# Allegro board RK3588S_Template_LP5D315P232SD10H2_42x42_2750MHz_1R2_V10_20220413YWQ.brd (continued)
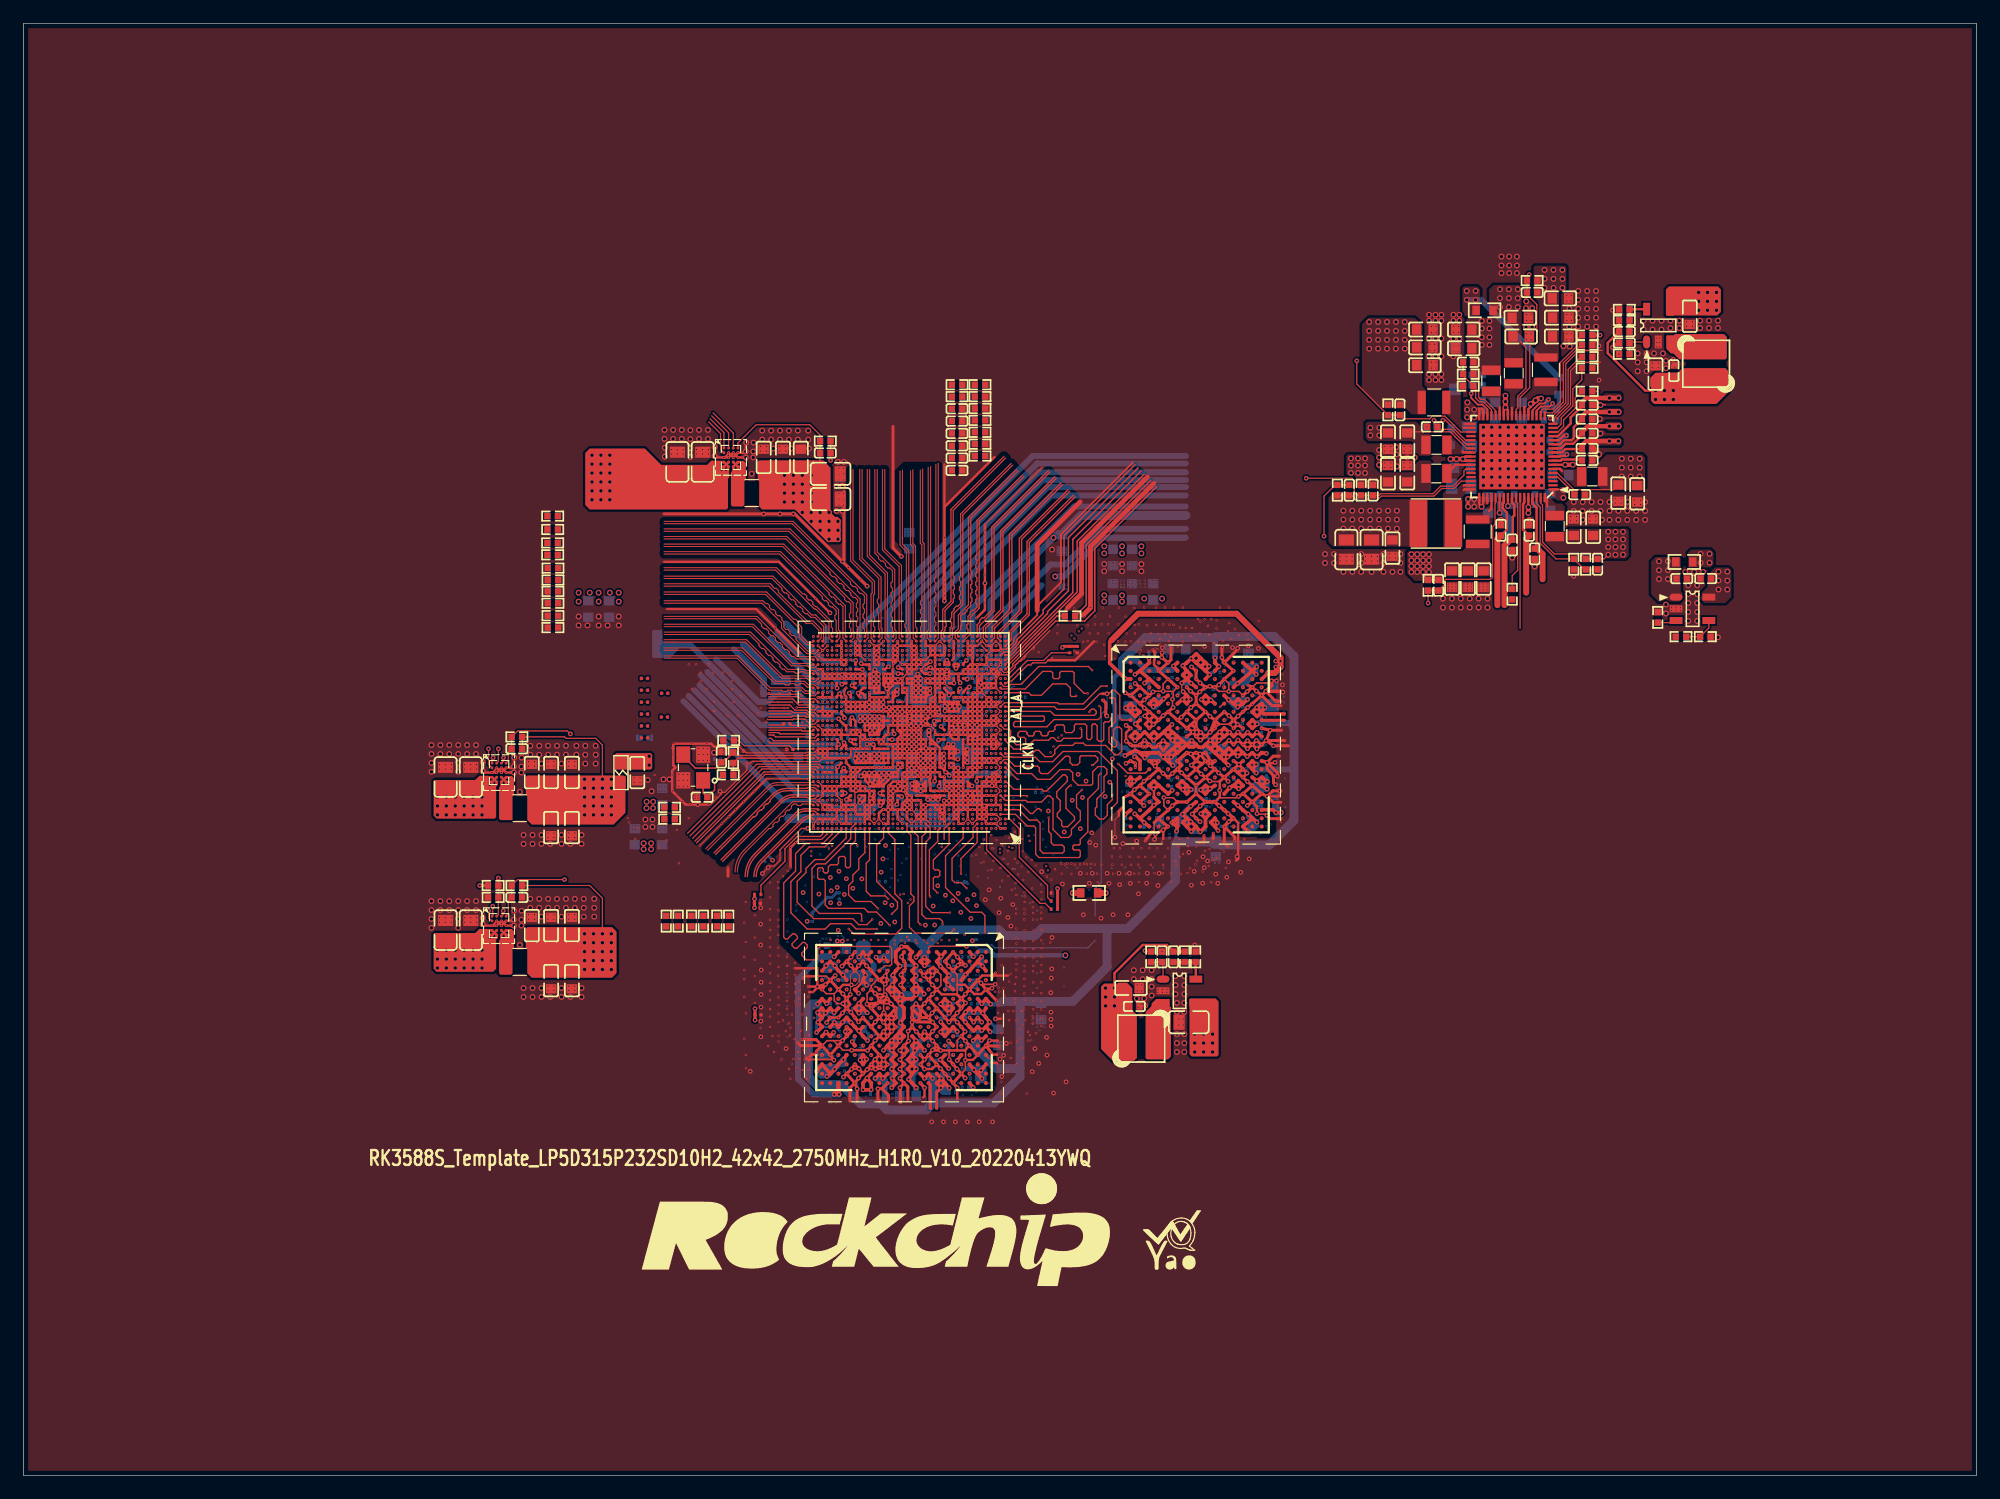
[diagram p0: board, top side]
## Placement (name value [footprint] x y rotation side) (continued)
C3969  100nF  [C0201#2]  71.49 33.41 180 bottom
C3970  100nF  [C0201#2]  78.76 34.3 0 bottom
C3971  100nF  [C0201#2]  79.36 32.75 0 bottom
C3972  100nF  [C0201#2]  80.49 34.75 180 bottom
C3973  100nF  [C0201#2]  68.56 42.8 270 bottom
C3974  100nF  [C0201#2]  77.72 35.5 180 bottom
C3975  100nF  [C0201#2]  72.47 42.38 0 bottom
C3976  100nF  [C0201#2]  71.48 36.22 90 bottom
C3977  100nF  [C0201#2]  69.67 42.39 180 bottom
C3978  100nF  [C0201#2]  81.25 43.58 180 bottom
C3979  100nF  [C0201#2]  79.5 43.29 90 bottom
C3980  22uF  [C0603]  75.57 32.43 180 bottom
C3981  10uF  [C0603]  75.66 39.52 0 bottom
C3982  10uF  [C0603]  83.31 37.45 270 bottom
C3983  1uF  [C0201#2]  75.64 43.87 90 bottom
C3984  100nF  [C0201]  69.7 49.53 270 bottom
C3985  100nF  [C0201]  62.76 39.37 0 top
C3986  100nF  [C0201]  62.71 48.89 0 top
C3987  100nF  [C0201#2]  76.74 41.95 90 bottom
C3990  100nF  [C0201#2]  75.59 40.6 0 bottom
C3991  100nF  [C0201#2]  81.21 37.91 180 bottom
C3992  100nF  [C0201#2]  68.04 38.39 0 bottom
C3993  100nF  [C0201#2]  71.92 38.63 90 bottom
C3994  100nF  [C0201#2]  79.78 37.31 270 bottom
C3996  100nF  [C0201#2]  77.03 37.17 0 bottom
C3999  100nF  [C0201#2]  74.52 34.35 0 bottom
C9922  1uF  [C0402]  115.32 84.2 270 top
C9923  100nF  [C0201]  101.05 56.9 90 bottom
D2600  BZT52C3V0  [SOD_123]  122.3 94.61 270 bottom
ED2200  AZ5825-01F  [ESD0402]  121.98 88.76 270 bottom
FB2300  120R-100MHz  [L0603]  51.05 60.07 90 top
L2200  0.47uH  [IND_201610]  120.73 85.62 0 top
L2201  0.22uH  [IND_404020]  120.68 81.35 180 top
L2202  0.47uH  [IND_201610]  125.41 93.55 270 top
L2203  0.24uH  [IND_252012]  120.52 91.69 180 top
L2204  0.47uH  [IND_201610]  130.84 81.13 90 top
L2205  0.24uH  [IND_252012]  124.26 80.64 270 top
L2206  0.47uH  [IND_201610]  134.04 85.37 180 top
L2207  0.24uH  [IND_252012]  130.08 94.49 90 top
L2208  0.47uH  [IND_201610]  127.33 94.18 270 top
L2209  0.47uH  [IND_201610]  120.73 88.06 180 top
L2300  0.24uH  [IND_252012]  42.42 43.89 0 top
L2301  0.24uH  [IND_252012]  42.42 57.02 0 top
L2302  0.24uH  [IND_252012]  62.23 83.95 0 top
L2303  2.2uH  [IND_303015]  143.76 95 0 top
L3900  3.3uH  [IND_303015]  95.5 37.34 270 top
NOREF  -  []  52.83 15.49 0 top
NOREF#2  -  []  96.9 18.92 0 top
R1100  22R  [R0402]  60.21 59.87 0 top
R1102  510K  [R0402]  60.66 61.33 90 top
R1104  0R  [R0402]  60.26 62.81 180 top
R1111  2.2K  [R0402]  45.24 72.46 0 top
R1112  2.2K  [R0402]  45.24 73.47 0 top
R1113  2.2K  [R0402]  45.24 74.53 0 top
R1114  2.2K  [R0402]  45.24 75.55 0 top
R1115  22R  [R0402]  133.6 95.6 180 top
R1116  22R  [R0402]  133.6 92.64 180 top
R1200  240R  [R0201#2]  89.39 70.58 90 top
R1201  240R  [R0201#2]  88.08 49.09 0 top
R1202  240R  [R0201#2]  88.08 48.39 0 top
R1203  240R  [R0201#2]  62.74 49.66 180 top
R1300  0R  [R0201]  53.07 64.05 180 top
R1301  0R  [R0201]  53.07 63.04 180 top
R1302  0R  [R0201]  53.07 65.07 180 top
R1303  0R  [R0201]  53.07 66.08 180 top
R1304  0R  [R0201]  53.07 67.1 180 top
R1305  0R  [R0201]  54.77 64.81 180 top
R1306  0R  [R0201]  53.07 68.12 180 top
R1308  0R  [R0201]  53.07 64.05 180 bottom
R1309  0R  [R0201]  65.23 64.23 180 top
R1310  0R  [R0402]  53.07 63.04 180 bottom
R1312  0R  [R0201]  53.07 65.07 180 bottom
R1313  0R  [R0201]  53.07 66.08 180 bottom
R1315  0R  [R0201]  53.07 67.1 180 bottom
R1316  0R  [R0201]  53.07 68.12 180 bottom
R1320  22R  [R0402]  89.42 73.45 0 top
R1330  0R  [R0201]  54.79 66.85 180 top
R1400  8.2K  [R0201]  79.43 72.11 90 bottom
R1401  0R  [R0402]  78.61 71.12 90 bottom
R1402  0R  [R0402]  77.6 71.12 90 bottom
R1404  200R  [R0201]  81.74 69.6 270 bottom
R1405  200R  [R0201]  81.74 72.06 90 bottom
R1406  200R  [R0201]  81.74 70.79 270 bottom
R1500  10K  [R0402]  81.73 89.14 0 top
R1501  100K  [R0402]  81.73 90.16 180 top
R1502  DNP  [R0402]  81.73 91.18 0 top
R1505  DNP  [R0402]  81.73 93.21 180 top
R1506  10K  [R0402]  81.73 87.11 180 top
R1507  100K  [R0402]  81.73 92.19 0 top
R1508  DNP  [R0402]  81.73 88.13 0 top
R1509  2.2K  [R0402]  55.21 57.1 0 top
R1510  2.2K  [R0402]  55.21 56.08 0 top
R1520  0R  [R0402]  79.77 92.19 0 top
R1521  0R  [R0402]  79.77 93.21 0 top
R1708  8.2K  [R0201]  83.39 71.3 90 bottom
R1904  2.2K  [R0402]  45.24 77.54 0 top
R1905  2.2K  [R0402]  45.24 76.52 0 top
R1908  0R  [R0402]  65.74 66.79 180 bottom
R1909  0R  [R0402]  65.74 67.88 180 bottom
R1910  2.2K  [R0402]  60.26 47.38 90 top
R1911  2.2K  [R0402]  54.92 47.38 90 top
R1914  2.2K  [R0402]  45.22 81.98 0 top
R1915  2.2K  [R0402]  45.22 80.84 0 top
R1916  2.2K  [R0402]  55.94 47.38 90 top
R1917  2.2K  [R0402]  59.24 47.38 90 top
R1918  0R  [R0402]  68.58 71.88 90 bottom
R1921  2.2K  [R0402]  57.08 47.38 90 top
R1922  2.2K  [R0402]  58.1 47.38 90 top
R1927  0R  [R0402]  63.69 67.88 0 bottom
R1928  0R  [R0402]  63.69 66.79 0 bottom
R1930  0R  [R0402]  45.22 79.69 180 top
R1931  0R  [R0402]  45.22 78.67 180 top
R2200  100R  [R0402]  114.3 84.2 270 top
R2208  100R  [R0402]  112.27 84.2 90 top
R2209  100R  [R0402]  128.91 102.11 180 top
R2210  0R  [R0603]  131.19 93.09 270 bottom
R2211  0R  [R0603]  124.84 99.57 0 top
R2218  110K  [R0402]  123.44 94.11 180 top
R2219  100R  [R0402]  116.59 91.06 90 top
R2227  100K  [R0402]  123.44 93.09 180 top
R2236  0R  [R0402]  133.48 77.87 270 top
R2238  100R  [R0402]  120.01 76.07 90 top
R2241  100K  [R0402]  132.46 77.87 270 top
R2242  0R  [R0402]  127.2 75.31 90 top
R2258  100K  [R0402]  133.6 96.59 0 top
R2261  10K  [R0402]  133.6 97.44 180 top
R2263  10K  [R0402]  120.27 89.66 0 bottom
R2264  39K  [R0402]  124.68 93.6 270 bottom
R2265  10K  [R0402]  123.75 93.6 270 bottom
R2274  0R  [R0402]  83.69 60.01 180 bottom
R2290  0R  [R0402]  133.6 94.61 180 top
R2300  100R  [R0402]  42.16 50.42 180 top
R2301  100R  [R0402]  42.16 63.12 180 top
R2302  100K  [R0402]  40.13 50.42 0 top
R2303  120K  [R0402]  40.13 49.4 180 top
R2304  100R  [R0402]  68.51 88.39 180 top
R2305  10K  [R0402]  136.78 95.82 0 top
R2306  100K  [R0402]  136.78 98.71 0 top
R2307  120K  [R0402]  136.78 99.65 180 top
R2308  0R  [R0603]  141.91 78.06 180 top
R2309  10K  [R0402]  141.62 71.68 0 top
R2310  100K  [R0402]  143.7 71.68 0 top
R2311  4.7K  [R0402]  139.63 73.33 90 top
R3900  240R  [R0201#2]  107.7 64.81 90 top
R3901  240R  [R0201#2]  77.76 31.42 0 top
R3920  0R  [R0603]  91.06 49.78 180 top
R3950  56K  [R0402]  96.32 44.32 270 top
R3951  100K  [R0402]  99.22 44.32 270 top
R3952  200K  [R0402]  100.15 44.32 90 top
U1000  RK3588S  [BGA1253_17R00X17R00X1R10]  75.69 63.5 180 top
U2200  RK806-1  [QFN68_7R00X7R00X0R80_T]  127.18 87.07 180 top
U2300  RK860-2  [WLCSP20_1R65X2R05X0R63]  40.64 46.99 0 top
U2301  RK860-3  [WLCSP20_1R65X2R05X0R63]  40.64 60.07 0 top
U2302  RK860-2  [WLCSP20_1R65X2R05X0R63]  60.45 87 0 top
U2303  ETA3409/SY8089AAC  [SOT_23_5]  138.68 96.86 90 top
U2304  SGM2576  [SOT_23_5]  141.2 75.06 0 top
U3900  LPDDR5_2X32_315Pin  [BGA315_12R40X15R00X1R10]  100.2 62.46 0 top
U3901  LPDDR5_2X32_315Pin  [BGA315_12R40X15R00X1R10]  75.24 39.14 270 top
U3902  SY8089AAC  [SOT_23_5]  97.37 42.42 0 top
Y1100  24MHz  [CRY4_3R20X2R50X0R80]  57.23 60.5 90 top

## Library data of the parts
C1000-C1002 C1005 C1009 C1011 C1014 C1015 C1021-C1024 C1026 C1028 C1031 C1032 C1034 C1037 C1039 C1040 C1043 C1050 C1100 C1101 C1103-C1107 C1202-C1204 C1206-C1208 C1211-C1213 C1216 C1218 C1220 C1222 C1224 C1250-C1253 C1300-C1302 C1400 C1401 C1403 C1405-C1407 C1502 C1601 C1602 C1607 C1608 C1610 C1710 C1712 C1713 C1800 C1802 C1902-C1907 C2245 C2248 C2249 = CAP NP: signal model: DEFAULT_CAPACITOR_100000pF_2_1
C1003 C1007 C1029 C1033 C1041 C2214 C2215 = CAP NP: signal model: DEFAULT_CAPACITOR_10000pF_2_1
C1004 C1010 C1013 C1035 C1036 C1042 C1209 C1210 C1214 C1215 C1221 C1402 C1404 C1600 C1603 C1605 C1609 C1711 C1714 C1725 C1801 C1803 C2235-C2244 C2246 C2247 C2250-C2253 = CAP NP: signal model: DEFAULT_CAPACITOR_1e+06pF_2_1
C1006 C1008 C1012 C1027 C1038 C2200 C2201 C2209 C2210 C2213 C2216-C2218 C2225 C2228 C2229 C2231 = CAP NP: signal model: DEFAULT_CAPACITOR_2.2e+07pF_2_1
C1017 C1019 C1020 C1025 C1030 C1200 C1205 C1217 C1219 C1223 C2202 C2203 C2221 C2226 C2227 C2232 = CAP NP: signal model: DEFAULT_CAPACITOR_1e+07pF_2_1
C1051-C1061 C1063 C1070-C1085 C1087 C1090 C1110-C1114 C1125 C1254 C1256 C1259-C1261 C1263-C1268 C1270 C1272-C1274 C1280-C1286 C1290-C1294 C1298 C1299 C1500 C1501 C1503-C1508 C1611-C1613 C1716 C1718 C2205 C2230 C2254 C2255 C2257-C2265 C2280-C2283 C2290 C2291 C2300-C2331 C3900-C3932 C3934-C3938 C3940 C3943-C3946 C3949-C3987 C3990-C3994 C3996 C3999 C9922 C9923 = CAP NP
C1604 = CAP NP: signal model: DEFAULT_CAPACITOR_2200pF_2_1
D2600 = DIODE ZENER1_1
ED2200 = DIODE BI_DIR TRIG
FB2300 = BEAD
L2200 L2205-L2209 = INDUCTORS OF FERRITE: signal model: DEFAULT_INDUCTOR_470.000000nH_2_1
L2201 L2202 = INDUCTORS OF FERRITE: signal model: DEFAULT_INDUCTOR_220.000000nH_2_1
L2203 L2204 = INDUCTORS OF FERRITE: signal model: DEFAULT_INDUCTOR_240.000000nH_2_1
L2300-L2303 L3900 = INDUCTORS OF FERRITE
R1100 R1102 R1112-R1116 R1320 R1401 R1402 R1404 R1500 R1502 R1505-R1510 R1520 R1521 R1708 R1908-R1911 R1914-R1918 R1921 R1922 R1927 R1928 R1930 R1931 R2209 R2227 R2236 R2238 R2241 R2242 R2258 R2261 R2263-R2265 R2274 R2290 R2300-R2311 R3900 R3901 R3920 R3950-R3952 = RESISTOR
R1104 R1111 R1300-R1306 R1308-R1310 R1312 R1313 R1315 R1316 R1330 R1405 R1406 R1501 R1904 R1905 = RESISTOR: signal model: DEFAULT_RESISTOR_0.1OHM_2_1
R1200-R1203 = RESISTOR: signal model: DEFAULT_RESISTOR_240.000000OHM_2_1
R1400 = RESISTOR: signal model: DEFAULT_RESISTOR_8200OHM_2_1
R2200 R2208 R2210 R2211 R2218 R2219 = RESISTOR: signal model: DEFAULT_RESISTOR_10000OHM_2_1
U1000 = SOC_RK3588S
U2200 = PMIC_RK806
U2300-U2302 = DCDC_RK860
U2303 U3902 = DCDC_SY8088
U2304 = SWITCH_SGM2576
U3900 U3901 = LPDDR5_2X32_315Pin
Y1100 = CRYSTAL_4P

## Footprints (pads in the part's own frame, mm; a bottom-side part is the same pattern mirrored in y, then rotated)
BGA315_12R40X15R00X1R10
  round 0.35 smd: A1(-5.6,7) A2(-4.8,7) A3(-4,7) A4(-3.2,7) A5(-2.4,7) A6(-1.6,7) A7(-0.8,7) A8(0,7) A9(0.8,7) A10(1.6,7) A11(2.4,7) A12(3.2,7) A13(4,7) A14(4.8,7) A15(5.6,7) AA1(-5.6,-6.3) AA2(-4.8,-6.3) AA3(-4,-6.3) AA4(-3.2,-6.3) AA5(-2.4,-6.3) AA6(-1.6,-6.3) AA7(-0.8,-6.3) AA8(0,-6.3) AA9(0.8,-6.3) AA10(1.6,-6.3) AA11(2.4,-6.3) AA12(3.2,-6.3) AA13(4,-6.3) AA14(4.8,-6.3) AA15(5.6,-6.3) AB1(-5.6,-7) AB2(-4.8,-7) AB3(-4,-7) AB4(-3.2,-7) AB5(-2.4,-7) AB6(-1.6,-7) AB7(-0.8,-7) AB8(0,-7) AB9(0.8,-7) AB10(1.6,-7) AB11(2.4,-7) AB12(3.2,-7) AB13(4,-7) AB14(4.8,-7) AB15(5.6,-7) B1(-5.6,6.3) B2(-4.8,6.3) B3(-4,6.3) B4(-3.2,6.3) B5(-2.4,6.3) B6(-1.6,6.3) B7(-0.8,6.3) B8(0,6.3) B9(0.8,6.3) B10(1.6,6.3) B11(2.4,6.3) B12(3.2,6.3) B13(4,6.3) B14(4.8,6.3) B15(5.6,6.3) C1(-5.6,5.6) C2(-4.8,5.6) C3(-4,5.6) C4(-3.2,5.6) C5(-2.4,5.6) C6(-1.6,5.6) C7(-0.8,5.6) C8(0,5.6) C9(0.8,5.6) C10(1.6,5.6) C11(2.4,5.6) C12(3.2,5.6) C13(4,5.6) C14(4.8,5.6) C15(5.6,5.6) D1(-5.6,4.9) D2(-4.8,4.9) D3(-4,4.9) D4(-3.2,4.9) D5(-2.4,4.9) D6(-1.6,4.9) D7(-0.8,4.9) D8(0,4.9) D9(0.8,4.9) D10(1.6,4.9) D11(2.4,4.9) D12(3.2,4.9) D13(4,4.9) D14(4.8,4.9) D15(5.6,4.9) E1(-5.6,4.2) E2(-4.8,4.2) E3(-4,4.2) E4(-3.2,4.2) E5(-2.4,4.2) E6(-1.6,4.2) E7(-0.8,4.2) E8(0,4.2) E9(0.8,4.2) E10(1.6,4.2) E11(2.4,4.2) E12(3.2,4.2) E13(4,4.2) E14(4.8,4.2) E15(5.6,4.2) F1(-5.6,3.5) F2(-4.8,3.5) F3(-4,3.5) F4(-3.2,3.5) F5(-2.4,3.5) F6(-1.6,3.5) F7(-0.8,3.5) F8(0,3.5) F9(0.8,3.5) F10(1.6,3.5) F11(2.4,3.5) F12(3.2,3.5) F13(4,3.5) F14(4.8,3.5) F15(5.6,3.5) G1(-5.6,2.8) G2(-4.8,2.8) G3(-4,2.8) G4(-3.2,2.8) G5(-2.4,2.8) G6(-1.6,2.8) G7(-0.8,2.8) G8(0,2.8) G9(0.8,2.8) G10(1.6,2.8) G11(2.4,2.8) G12(3.2,2.8) G13(4,2.8) G14(4.8,2.8) G15(5.6,2.8) H1(-5.6,2.1) H2(-4.8,2.1) H3(-4,2.1) H4(-3.2,2.1) H5(-2.4,2.1) H6(-1.6,2.1) H7(-0.8,2.1) H8(0,2.1) H9(0.8,2.1) H10(1.6,2.1) H11(2.4,2.1) H12(3.2,2.1) H13(4,2.1) H14(4.8,2.1) H15(5.6,2.1) J1(-5.6,1.4) J2(-4.8,1.4) J3(-4,1.4) J4(-3.2,1.4) J5(-2.4,1.4) J6(-1.6,1.4) J7(-0.8,1.4) J8(0,1.4) J9(0.8,1.4) J10(1.6,1.4) J11(2.4,1.4) J12(3.2,1.4) J13(4,1.4) J14(4.8,1.4) J15(5.6,1.4) K1(-5.6,0.7) K2(-4.8,0.7) K3(-4,0.7) K4(-3.2,0.7) K5(-2.4,0.7) K6(-1.6,0.7) K7(-0.8,0.7) K8(0,0.7) K9(0.8,0.7) K10(1.6,0.7) K11(2.4,0.7) K12(3.2,0.7) K13(4,0.7) K14(4.8,0.7) K15(5.6,0.7) L1(-5.6,0) L2(-4.8,0) L3(-4,0) L4(-3.2,0) L5(-2.4,0) L6(-1.6,0) L7(-0.8,0) L8(0,0) L9(0.8,0) L10(1.6,0) L11(2.4,0) L12(3.2,0) L13(4,0) L14(4.8,0) L15(5.6,0) M1(-5.6,-0.7) M2(-4.8,-0.7) M3(-4,-0.7) M4(-3.2,-0.7) M5(-2.4,-0.7) M6(-1.6,-0.7) M7(-0.8,-0.7) M8(0,-0.7) M9(0.8,-0.7) M10(1.6,-0.7) M11(2.4,-0.7) M12(3.2,-0.7) M13(4,-0.7) M14(4.8,-0.7) M15(5.6,-0.7) N1(-5.6,-1.4) N2(-4.8,-1.4) N3(-4,-1.4) N4(-3.2,-1.4) N5(-2.4,-1.4) N6(-1.6,-1.4) N7(-0.8,-1.4) N8(0,-1.4) N9(0.8,-1.4) N10(1.6,-1.4) N11(2.4,-1.4) N12(3.2,-1.4) N13(4,-1.4) N14(4.8,-1.4) N15(5.6,-1.4) P1(-5.6,-2.1) P2(-4.8,-2.1) P3(-4,-2.1) P4(-3.2,-2.1) P5(-2.4,-2.1) P6(-1.6,-2.1) P7(-0.8,-2.1) P8(0,-2.1) P9(0.8,-2.1) P10(1.6,-2.1) P11(2.4,-2.1) P12(3.2,-2.1) P13(4,-2.1) P14(4.8,-2.1) P15(5.6,-2.1) R1(-5.6,-2.8) R2(-4.8,-2.8) R3(-4,-2.8) R4(-3.2,-2.8) R5(-2.4,-2.8) R6(-1.6,-2.8) R7(-0.8,-2.8) R8(0,-2.8) R9(0.8,-2.8) R10(1.6,-2.8) R11(2.4,-2.8) R12(3.2,-2.8) R13(4,-2.8) R14(4.8,-2.8) R15(5.6,-2.8) T1(-5.6,-3.5) T2(-4.8,-3.5) T3(-4,-3.5) T4(-3.2,-3.5) T5(-2.4,-3.5) T6(-1.6,-3.5) T7(-0.8,-3.5) T8(0,-3.5) T9(0.8,-3.5) T10(1.6,-3.5) T11(2.4,-3.5) T12(3.2,-3.5) T13(4,-3.5) T14(4.8,-3.5) T15(5.6,-3.5) V1(-5.6,-4.2) V2(-4.8,-4.2) V3(-4,-4.2) V4(-3.2,-4.2) V5(-2.4,-4.2) V6(-1.6,-4.2) V7(-0.8,-4.2) V8(0,-4.2) V9(0.8,-4.2) V10(1.6,-4.2) V11(2.4,-4.2) V12(3.2,-4.2) V13(4,-4.2) V14(4.8,-4.2) V15(5.6,-4.2) W1(-5.6,-4.9) W2(-4.8,-4.9) W3(-4,-4.9) W4(-3.2,-4.9) W5(-2.4,-4.9) W6(-1.6,-4.9) W7(-0.8,-4.9) W8(0,-4.9) W9(0.8,-4.9) W10(1.6,-4.9) W11(2.4,-4.9) W12(3.2,-4.9) W13(4,-4.9) W14(4.8,-4.9) W15(5.6,-4.9) Y1(-5.6,-5.6) Y2(-4.8,-5.6) Y3(-4,-5.6) Y4(-3.2,-5.6) Y5(-2.4,-5.6) Y6(-1.6,-5.6) Y7(-0.8,-5.6) Y8(0,-5.6) Y9(0.8,-5.6) Y10(1.6,-5.6) Y11(2.4,-5.6) Y12(3.2,-5.6) Y13(4,-5.6) Y14(4.8,-5.6) Y15(5.6,-5.6)
BGA1253_17R00X17R00X1R10
  round 0.25 smd: A1(-8.2,8.2) A2(-7.8,8.2) A3(-7.4,8.2) A4(-7,8.2) A5(-6.6,8.2) A6(-6.2,8.2) A7(-5.8,8.2) A9(-5,8.2) A10(-4.6,8.2) A12(-3.8,8.2) A13(-3.4,8.2) A15(-2.6,8.2) A16(-2.2,8.2) A18(-1.4,8.2) A19(-1,8.2) A20(-0.6,8.2) A21(-0.2,8.2) A23(0.6,8.2) A24(1,8.2) A26(1.8,8.2) A27(2.2,8.2) A28(2.6,8.2) A30(3.4,8.2) A31(3.8,8.2) A32(4.2,8.2) A33(4.6,8.2) A35(5.4,8.2) A36(5.8,8.2) A37(6.2,8.2) A38(6.6,8.2) A39(7,8.2) A40(7.4,8.2) A41(7.8,8.2) A42(8.2,8.2) AA1(-8.2,0.2) AA2(-7.8,0.2) AA3(-7.4,0.2) AA5(-6.6,0.2) AA6(-6.2,0.2) AA7(-5.8,0.2) AA8(-5.4,0.2) AA9(-5,0.2) AA10(-4.6,0.2) AA11(-4.2,0.2) AA12(-3.8,0.2) AA14(-3,0.2) AA19(-1,0.2) AA22(0.2,0.2) AA23(0.6,0.2) AA26(1.8,0.2) AA28(2.6,0.2) AA29(3,0.2) AA30(3.4,0.2) AA31(3.8,0.2) AA37(6.2,0.2) AA38(6.6,0.2) AA39(7,0.2) AA40(7.4,0.2) AA41(7.8,0.2) AA42(8.2,0.2) AB2(-7.8,-0.2) AB3(-7.4,-0.2) AB4(-7,-0.2) AB5(-6.6,-0.2) AB6(-6.2,-0.2) AB9(-5,-0.2) AB10(-4.6,-0.2) AB11(-4.2,-0.2) AB12(-3.8,-0.2) AB14(-3,-0.2) AB19(-1,-0.2) AB20(-0.6,-0.2) AB21(-0.2,-0.2) AB22(0.2,-0.2) AB23(0.6,-0.2) AB24(1,-0.2) AB25(1.4,-0.2) AB31(3.8,-0.2) AB32(4.2,-0.2) AB33(4.6,-0.2) AB34(5,-0.2) AB35(5.4,-0.2) AB36(5.8,-0.2) AB37(6.2,-0.2) AB38(6.6,-0.2) AB39(7,-0.2) AB40(7.4,-0.2) AB41(7.8,-0.2) AB42(8.2,-0.2) AC1(-8.2,-0.6) AC2(-7.8,-0.6) AC3(-7.4,-0.6) AC4(-7,-0.6) AC5(-6.6,-0.6) AC6(-6.2,-0.6) AC16(-2.2,-0.6) AC17(-1.8,-0.6) AC18(-1.4,-0.6) AC22(0.2,-0.6) AC23(0.6,-0.6) AC24(1,-0.6) AC25(1.4,-0.6) AC26(1.8,-0.6) AC27(2.2,-0.6) AC28(2.6,-0.6) AC29(3,-0.6) AC30(3.4,-0.6) AC31(3.8,-0.6) AC33(4.6,-0.6) AC34(5,-0.6) AC35(5.4,-0.6) AC37(6.2,-0.6) AC38(6.6,-0.6) AC39(7,-0.6) AC40(7.4,-0.6) AC41(7.8,-0.6) AD1(-8.2,-1) AD2(-7.8,-1) AD3(-7.4,-1) AD5(-6.6,-1) AD6(-6.2,-1) AD8(-5.4,-1) AD9(-5,-1) AD10(-4.6,-1) AD11(-4.2,-1) AD12(-3.8,-1) AD13(-3.4,-1) AD14(-3,-1) AD15(-2.6,-1) AD19(-1,-1) AD20(-0.6,-1) AD22(0.2,-1) AD23(0.6,-1) AD24(1,-1) AD25(1.4,-1) AD26(1.8,-1) AD27(2.2,-1) AD38(6.6,-1) AD39(7,-1) AD40(7.4,-1) AD41(7.8,-1) AD42(8.2,-1) AE1(-8.2,-1.4) AE2(-7.8,-1.4) AE5(-6.6,-1.4) AE6(-6.2,-1.4) AE7(-5.8,-1.4) AE8(-5.4,-1.4) AE9(-5,-1.4) AE10(-4.6,-1.4) AE11(-4.2,-1.4) AE12(-3.8,-1.4) AE13(-3.4,-1.4) AE14(-3,-1.4) AE15(-2.6,-1.4) AE16(-2.2,-1.4) AE19(-1,-1.4) AE20(-0.6,-1.4) AE22(0.2,-1.4) AE23(0.6,-1.4) AE24(1,-1.4) AE25(1.4,-1.4) AE26(1.8,-1.4) AE27(2.2,-1.4) AE38(6.6,-1.4) AE39(7,-1.4) AE40(7.4,-1.4) AE41(7.8,-1.4) AE42(8.2,-1.4) AF1(-8.2,-1.8) AF2(-7.8,-1.8) AF3(-7.4,-1.8) AF4(-7,-1.8) AF5(-6.6,-1.8) AF6(-6.2,-1.8) AF7(-5.8,-1.8) AF8(-5.4,-1.8) AF9(-5,-1.8) AF10(-4.6,-1.8) AF12(-3.8,-1.8) AF13(-3.4,-1.8) AF16(-2.2,-1.8) AF17(-1.8,-1.8) AF19(-1,-1.8) AF20(-0.6,-1.8) AF21(-0.2,-1.8) AF26(1.8,-1.8) AF27(2.2,-1.8) AF28(2.6,-1.8) AF29(3,-1.8) AF30(3.4,-1.8) AF31(3.8,-1.8) AF32(4.2,-1.8) AF33(4.6,-1.8) AF34(5,-1.8) AF35(5.4,-1.8) AF36(5.8,-1.8) AF37(6.2,-1.8) AF38(6.6,-1.8) AF39(7,-1.8) AF40(7.4,-1.8) AF41(7.8,-1.8) AG1(-8.2,-2.2) AG2(-7.8,-2.2) AG3(-7.4,-2.2) AG4(-7,-2.2) AG5(-6.6,-2.2) AG6(-6.2,-2.2) AG7(-5.8,-2.2) AG8(-5.4,-2.2) AG15(-2.6,-2.2) AG16(-2.2,-2.2) AG17(-1.8,-2.2) AG18(-1.4,-2.2) AG19(-1,-2.2) AG20(-0.6,-2.2) AG21(-0.2,-2.2) AG22(0.2,-2.2) AG23(0.6,-2.2) AG24(1,-2.2) AG25(1.4,-2.2) AG28(2.6,-2.2) AG29(3,-2.2) AG31(3.8,-2.2) AG32(4.2,-2.2) AG33(4.6,-2.2) AG34(5,-2.2) AG35(5.4,-2.2) AG36(5.8,-2.2) AG37(6.2,-2.2) AG38(6.6,-2.2) AG39(7,-2.2) AG40(7.4,-2.2) AG41(7.8,-2.2) AG42(8.2,-2.2) AH2(-7.8,-2.6) AH3(-7.4,-2.6) AH4(-7,-2.6) AH5(-6.6,-2.6) AH7(-5.8,-2.6) AH8(-5.4,-2.6) AH9(-5,-2.6) AH10(-4.6,-2.6) AH11(-4.2,-2.6) AH12(-3.8,-2.6) AH13(-3.4,-2.6) AH14(-3,-2.6) AH15(-2.6,-2.6) AH16(-2.2,-2.6) AH17(-1.8,-2.6) AH18(-1.4,-2.6) AH19(-1,-2.6) AH20(-0.6,-2.6) AH21(-0.2,-2.6) AH23(0.6,-2.6) AH24(1,-2.6) AH25(1.4,-2.6) AH26(1.8,-2.6) AH28(2.6,-2.6) AH29(3,-2.6) AH36(5.8,-2.6) AH37(6.2,-2.6) AH38(6.6,-2.6) AH39(7,-2.6) AH40(7.4,-2.6) AH41(7.8,-2.6) AH42(8.2,-2.6) AJ1(-8.2,-3) AJ2(-7.8,-3) AJ3(-7.4,-3) AJ5(-6.6,-3) AJ6(-6.2,-3) AJ7(-5.8,-3) AJ8(-5.4,-3) AJ9(-5,-3) AJ10(-4.6,-3) AJ11(-4.2,-3) AJ12(-3.8,-3) AJ15(-2.6,-3) AJ16(-2.2,-3) AJ18(-1.4,-3) AJ19(-1,-3) AJ20(-0.6,-3) AJ21(-0.2,-3) AJ25(1.4,-3) AJ26(1.8,-3) AJ27(2.2,-3) AJ28(2.6,-3) AJ29(3,-3) AJ30(3.4,-3) AJ31(3.8,-3) AJ32(4.2,-3) AJ34(5,-3) AJ35(5.4,-3) AJ36(5.8,-3) AJ37(6.2,-3) AJ38(6.6,-3) AJ39(7,-3) AJ40(7.4,-3) AJ41(7.8,-3) AK1(-8.2,-3.4) AK2(-7.8,-3.4) AK3(-7.4,-3.4) AK4(-7,-3.4) AK5(-6.6,-3.4) AK6(-6.2,-3.4) AK7(-5.8,-3.4) AK9(-5,-3.4) AK10(-4.6,-3.4) AK11(-4.2,-3.4) AK12(-3.8,-3.4) AK15(-2.6,-3.4) AK16(-2.2,-3.4) AK18(-1.4,-3.4) AK21(-0.2,-3.4) AK22(0.2,-3.4) AK25(1.4,-3.4) AK26(1.8,-3.4) AK27(2.2,-3.4) AK28(2.6,-3.4) AK29(3,-3.4) AK30(3.4,-3.4) AK39(7,-3.4) AK40(7.4,-3.4) AK41(7.8,-3.4) AK42(8.2,-3.4) AL2(-7.8,-3.8) AL3(-7.4,-3.8) AL4(-7,-3.8) AL5(-6.6,-3.8) AL14(-3,-3.8) AL15(-2.6,-3.8) AL16(-2.2,-3.8) AL18(-1.4,-3.8) AL21(-0.2,-3.8) AL22(0.2,-3.8) AL28(2.6,-3.8) AL29(3,-3.8) AL30(3.4,-3.8) AL31(3.8,-3.8) AL33(4.6,-3.8) AL35(5.4,-3.8) AL38(6.6,-3.8) AL39(7,-3.8) AL40(7.4,-3.8) AL41(7.8,-3.8) AL42(8.2,-3.8) AM1(-8.2,-4.2) AM2(-7.8,-4.2) AM4(-7,-4.2) AM5(-6.6,-4.2) AM13(-3.4,-4.2) AM14(-3,-4.2) AM15(-2.6,-4.2) AM16(-2.2,-4.2) AM17(-1.8,-4.2) AM21(-0.2,-4.2) AM22(0.2,-4.2) AM23(0.6,-4.2) AM25(1.4,-4.2) AM27(2.2,-4.2) AM30(3.4,-4.2) AM31(3.8,-4.2) AM32(4.2,-4.2) AM33(4.6,-4.2) AM35(5.4,-4.2) AM37(6.2,-4.2) AM38(6.6,-4.2) AM39(7,-4.2) AM40(7.4,-4.2) AM41(7.8,-4.2) AN1(-8.2,-4.6) AN2(-7.8,-4.6) AN3(-7.4,-4.6) AN4(-7,-4.6) AN5(-6.6,-4.6) AN6(-6.2,-4.6) AN7(-5.8,-4.6) AN8(-5.4,-4.6) AN10(-4.6,-4.6) AN11(-4.2,-4.6) AN12(-3.8,-4.6) AN13(-3.4,-4.6) AN14(-3,-4.6) AN15(-2.6,-4.6) AN17(-1.8,-4.6) AN18(-1.4,-4.6) AN21(-0.2,-4.6) AN22(0.2,-4.6) AN23(0.6,-4.6) AN25(1.4,-4.6) AN30(3.4,-4.6) AN31(3.8,-4.6) AN32(4.2,-4.6) AN33(4.6,-4.6) AN34(5,-4.6) AN35(5.4,-4.6) AN37(6.2,-4.6) AN38(6.6,-4.6) AN39(7,-4.6) AN40(7.4,-4.6) AN41(7.8,-4.6) AN42(8.2,-4.6) AP2(-7.8,-5) AP5(-6.6,-5) AP6(-6.2,-5) AP7(-5.8,-5) AP8(-5.4,-5) AP9(-5,-5) AP10(-4.6,-5) AP11(-4.2,-5) AP16(-2.2,-5) AP18(-1.4,-5) AP22(0.2,-5) AP23(0.6,-5) AP25(1.4,-5) AP27(2.2,-5) AP30(3.4,-5) AP31(3.8,-5) AP32(4.2,-5) AP33(4.6,-5) AP34(5,-5) AP35(5.4,-5) AP37(6.2,-5) AP38(6.6,-5) AP39(7,-5) AP40(7.4,-5) AP41(7.8,-5) AP42(8.2,-5) AR1(-8.2,-5.4) AR2(-7.8,-5.4) AR3(-7.4,-5.4) AR4(-7,-5.4) AR5(-6.6,-5.4) AR6(-6.2,-5.4) AR9(-5,-5.4) AR16(-2.2,-5.4) AR18(-1.4,-5.4) AR19(-1,-5.4) AR20(-0.6,-5.4) AR21(-0.2,-5.4) AR22(0.2,-5.4) AR23(0.6,-5.4) AR25(1.4,-5.4) AR27(2.2,-5.4) AR30(3.4,-5.4) AR33(4.6,-5.4) AR34(5,-5.4) AR35(5.4,-5.4) AR36(5.8,-5.4) AR37(6.2,-5.4) AR38(6.6,-5.4) AR39(7,-5.4) AR40(7.4,-5.4) AR41(7.8,-5.4) AT1(-8.2,-5.8) AT2(-7.8,-5.8) AT3(-7.4,-5.8) AT4(-7,-5.8) AT5(-6.6,-5.8) AT6(-6.2,-5.8) AT7(-5.8,-5.8) AT8(-5.4,-5.8) AT10(-4.6,-5.8) AT11(-4.2,-5.8) AT12(-3.8,-5.8) AT13(-3.4,-5.8) AT14(-3,-5.8) AT15(-2.6,-5.8) AT16(-2.2,-5.8) AT18(-1.4,-5.8) AT19(-1,-5.8) AT20(-0.6,-5.8) AT21(-0.2,-5.8) AT22(0.2,-5.8) AT23(0.6,-5.8) AT27(2.2,-5.8) AT29(3,-5.8) AT30(3.4,-5.8) AT33(4.6,-5.8) AT36(5.8,-5.8) AT37(6.2,-5.8) AT38(6.6,-5.8) AT39(7,-5.8) AT40(7.4,-5.8) AT41(7.8,-5.8) AT42(8.2,-5.8) AU1(-8.2,-6.2) AU2(-7.8,-6.2) AU3(-7.4,-6.2) AU4(-7,-6.2) AU6(-6.2,-6.2) AU7(-5.8,-6.2) AU8(-5.4,-6.2) AU15(-2.6,-6.2) AU16(-2.2,-6.2) AU18(-1.4,-6.2) AU19(-1,-6.2) AU21(-0.2,-6.2) AU22(0.2,-6.2) AU23(0.6,-6.2) AU24(1,-6.2) AU25(1.4,-6.2) AU27(2.2,-6.2) AU28(2.6,-6.2) AU29(3,-6.2) AU30(3.4,-6.2) AU31(3.8,-6.2) AU34(5,-6.2) AU35(5.4,-6.2) AU38(6.6,-6.2) AU39(7,-6.2) AU40(7.4,-6.2) AU41(7.8,-6.2) AU42(8.2,-6.2) AV1(-8.2,-6.6) AV2(-7.8,-6.6) AV3(-7.4,-6.6) AV4(-7,-6.6) AV5(-6.6,-6.6) AV6(-6.2,-6.6) AV7(-5.8,-6.6) AV8(-5.4,-6.6) AV9(-5,-6.6) AV10(-4.6,-6.6) AV11(-4.2,-6.6) AV12(-3.8,-6.6) AV13(-3.4,-6.6) AV14(-3,-6.6) AV15(-2.6,-6.6) AV16(-2.2,-6.6) AV18(-1.4,-6.6) AV19(-1,-6.6) AV21(-0.2,-6.6) AV22(0.2,-6.6) AV23(0.6,-6.6) AV25(1.4,-6.6) AV26(1.8,-6.6) AV27(2.2,-6.6) AV29(3,-6.6) AV30(3.4,-6.6) AV31(3.8,-6.6) AV32(4.2,-6.6) AV33(4.6,-6.6) AV34(5,-6.6) AV35(5.4,-6.6) AV36(5.8,-6.6) AV37(6.2,-6.6) AV38(6.6,-6.6) AV39(7,-6.6) AV40(7.4,-6.6) AV41(7.8,-6.6) AW3(-7.4,-7) AW4(-7,-7) AW5(-6.6,-7) AW6(-6.2,-7) AW7(-5.8,-7) AW8(-5.4,-7) AW9(-5,-7) AW10(-4.6,-7) AW11(-4.2,-7) AW12(-3.8,-7) AW13(-3.4,-7) AW14(-3,-7) AW15(-2.6,-7) AW16(-2.2,-7) AW17(-1.8,-7) AW18(-1.4,-7) AW19(-1,-7) AW21(-0.2,-7) AW22(0.2,-7) AW23(0.6,-7) AW25(1.4,-7) AW26(1.8,-7) AW27(2.2,-7) AW28(2.6,-7) AW29(3,-7) AW30(3.4,-7) AW31(3.8,-7) AW32(4.2,-7) AW33(4.6,-7) AW34(5,-7) AW35(5.4,-7) AW36(5.8,-7) AW37(6.2,-7) AW38(6.6,-7) AW39(7,-7) AW40(7.4,-7) AW41(7.8,-7) AW42(8.2,-7) AY1(-8.2,-7.4) AY2(-7.8,-7.4) AY3(-7.4,-7.4) AY4(-7,-7.4) AY5(-6.6,-7.4) AY7(-5.8,-7.4) AY8(-5.4,-7.4) AY9(-5,-7.4) AY10(-4.6,-7.4) AY11(-4.2,-7.4) AY12(-3.8,-7.4) AY13(-3.4,-7.4) AY14(-3,-7.4) AY15(-2.6,-7.4) AY16(-2.2,-7.4) AY17(-1.8,-7.4) AY18(-1.4,-7.4) AY19(-1,-7.4) AY21(-0.2,-7.4) AY22(0.2,-7.4) AY23(0.6,-7.4) AY25(1.4,-7.4) AY26(1.8,-7.4) AY27(2.2,-7.4) AY28(2.6,-7.4) AY29(3,-7.4) AY30(3.4,-7.4) AY31(3.8,-7.4) AY32(4.2,-7.4) AY33(4.6,-7.4) AY34(5,-7.4) AY35(5.4,-7.4) AY36(5.8,-7.4) AY37(6.2,-7.4) AY39(7,-7.4) AY40(7.4,-7.4) AY41(7.8,-7.4) AY42(8.2,-7.4) B1(-8.2,7.8) B2(-7.8,7.8) B3(-7.4,7.8) B5(-6.6,7.8) B6(-6.2,7.8) B7(-5.8,7.8) B8(-5.4,7.8) B9(-5,7.8) B10(-4.6,7.8) B11(-4.2,7.8) B12(-3.8,7.8) B13(-3.4,7.8) B14(-3,7.8) B15(-2.6,7.8) B16(-2.2,7.8) B17(-1.8,7.8) B18(-1.4,7.8) B19(-1,7.8) B20(-0.6,7.8) B21(-0.2,7.8) B22(0.2,7.8) B23(0.6,7.8) B24(1,7.8) B25(1.4,7.8) B26(1.8,7.8) B27(2.2,7.8) B28(2.6,7.8) B29(3,7.8) B30(3.4,7.8) B31(3.8,7.8) B32(4.2,7.8) B33(4.6,7.8) B34(5,7.8) B35(5.4,7.8) B36(5.8,7.8) B37(6.2,7.8) B38(6.6,7.8) B39(7,7.8) B40(7.4,7.8) B41(7.8,7.8) B42(8.2,7.8) BA1(-8.2,-7.8) BA2(-7.8,-7.8) BA3(-7.4,-7.8) BA4(-7,-7.8) BA5(-6.6,-7.8) BA6(-6.2,-7.8) BA7(-5.8,-7.8) BA8(-5.4,-7.8) BA9(-5,-7.8) BA10(-4.6,-7.8) BA11(-4.2,-7.8) BA12(-3.8,-7.8) BA13(-3.4,-7.8) BA14(-3,-7.8) BA15(-2.6,-7.8) BA16(-2.2,-7.8) BA17(-1.8,-7.8) BA18(-1.4,-7.8) BA19(-1,-7.8) BA20(-0.6,-7.8) BA21(-0.2,-7.8) BA22(0.2,-7.8) BA23(0.6,-7.8) BA24(1,-7.8) BA25(1.4,-7.8) BA26(1.8,-7.8) BA27(2.2,-7.8) BA28(2.6,-7.8) BA29(3,-7.8) BA30(3.4,-7.8) BA31(3.8,-7.8) BA32(4.2,-7.8) BA33(4.6,-7.8) BA34(5,-7.8) BA35(5.4,-7.8) BA36(5.8,-7.8) BA37(6.2,-7.8) BA38(6.6,-7.8) BA40(7.4,-7.8) BA41(7.8,-7.8) BA42(8.2,-7.8) BB1(-8.2,-8.2) BB2(-7.8,-8.2) BB4(-7,-8.2) BB5(-6.6,-8.2) BB7(-5.8,-8.2) BB8(-5.4,-8.2) BB10(-4.6,-8.2) BB11(-4.2,-8.2) BB13(-3.4,-8.2) BB14(-3,-8.2) BB16(-2.2,-8.2) BB17(-1.8,-8.2) BB19(-1,-8.2) BB20(-0.6,-8.2) BB22(0.2,-8.2) BB23(0.6,-8.2) BB25(1.4,-8.2) BB26(1.8,-8.2) BB28(2.6,-8.2) BB29(3,-8.2) BB31(3.8,-8.2) BB32(4.2,-8.2) BB34(5,-8.2) BB35(5.4,-8.2) BB37(6.2,-8.2) BB38(6.6,-8.2) BB41(7.8,-8.2) BB42(8.2,-8.2) C1(-8.2,7.4) C2(-7.8,7.4) C3(-7.4,7.4) C4(-7,7.4) C6(-6.2,7.4) C7(-5.8,7.4) C8(-5.4,7.4) C9(-5,7.4) C10(-4.6,7.4) C11(-4.2,7.4) C12(-3.8,7.4) C13(-3.4,7.4) C14(-3,7.4) C15(-2.6,7.4) C16(-2.2,7.4) C17(-1.8,7.4) C18(-1.4,7.4) C19(-1,7.4) C20(-0.6,7.4) C21(-0.2,7.4) C22(0.2,7.4) C23(0.6,7.4) C24(1,7.4) C25(1.4,7.4) C26(1.8,7.4) C27(2.2,7.4) C28(2.6,7.4) C29(3,7.4) C30(3.4,7.4) C32(4.2,7.4) C33(4.6,7.4) C34(5,7.4) C35(5.4,7.4) C36(5.8,7.4) C37(6.2,7.4) C39(7,7.4) C41(7.8,7.4) C42(8.2,7.4) D2(-7.8,7) D3(-7.4,7) D4(-7,7) D7(-5.8,7) D8(-5.4,7) D10(-4.6,7) D11(-4.2,7) D13(-3.4,7) D14(-3,7) D15(-2.6,7) D16(-2.2,7) D17(-1.8,7) D18(-1.4,7) D19(-1,7) D21(-0.2,7) D22(0.2,7) D23(0.6,7) D25(1.4,7) D26(1.8,7) D27(2.2,7) D29(3,7) D30(3.4,7) D31(3.8,7) D32(4.2,7) D34(5,7) D36(5.8,7) D38(6.6,7) D39(7,7) D40(7.4,7) D41(7.8,7) D42(8.2,7) E1(-8.2,6.6) E2(-7.8,6.6) E3(-7.4,6.6) E4(-7,6.6) E5(-6.6,6.6) E6(-6.2,6.6) E8(-5.4,6.6) E9(-5,6.6) E10(-4.6,6.6) E12(-3.8,6.6) E13(-3.4,6.6) E16(-2.2,6.6) E17(-1.8,6.6) E18(-1.4,6.6) E19(-1,6.6) E20(-0.6,6.6) E21(-0.2,6.6) E23(0.6,6.6) E25(1.4,6.6) E27(2.2,6.6) E29(3,6.6) E30(3.4,6.6) E31(3.8,6.6) E32(4.2,6.6) E33(4.6,6.6) E34(5,6.6) E37(6.2,6.6) E38(6.6,6.6) E39(7,6.6) E40(7.4,6.6) E41(7.8,6.6) F1(-8.2,6.2) F2(-7.8,6.2) F3(-7.4,6.2) F4(-7,6.2) F8(-5.4,6.2) F9(-5,6.2) F10(-4.6,6.2) F13(-3.4,6.2) F14(-3,6.2) F15(-2.6,6.2) F16(-2.2,6.2) F19(-1,6.2) F20(-0.6,6.2) F21(-0.2,6.2) F23(0.6,6.2) F29(3,6.2) F31(3.8,6.2) F33(4.6,6.2) F34(5,6.2) F35(5.4,6.2) F36(5.8,6.2) F37(6.2,6.2) F38(6.6,6.2) F39(7,6.2) F40(7.4,6.2) F41(7.8,6.2) F42(8.2,6.2) G2(-7.8,5.8) G3(-7.4,5.8) G4(-7,5.8) G5(-6.6,5.8) G6(-6.2,5.8) G8(-5.4,5.8) G9(-5,5.8) G10(-4.6,5.8) G12(-3.8,5.8) G20(-0.6,5.8) G21(-0.2,5.8) G22(0.2,5.8) G24(1,5.8) G25(1.4,5.8) G26(1.8,5.8) G27(2.2,5.8) G28(2.6,5.8) G29(3,5.8) G31(3.8,5.8) G34(5,5.8) G36(5.8,5.8) G37(6.2,5.8) G38(6.6,5.8) G39(7,5.8) G40(7.4,5.8) G41(7.8,5.8) H1(-8.2,5.4) H2(-7.8,5.4) H3(-7.4,5.4) H4(-7,5.4) H5(-6.6,5.4) H6(-6.2,5.4) H11(-4.2,5.4) H12(-3.8,5.4) H14(-3,5.4) H15(-2.6,5.4) H16(-2.2,5.4) H18(-1.4,5.4) H20(-0.6,5.4) H22(0.2,5.4) H24(1,5.4) H25(1.4,5.4) H27(2.2,5.4) H29(3,5.4) H31(3.8,5.4) H34(5,5.4) H36(5.8,5.4) H37(6.2,5.4) H38(6.6,5.4) H39(7,5.4) H40(7.4,5.4) H41(7.8,5.4) H42(8.2,5.4) J1(-8.2,5) J2(-7.8,5) J3(-7.4,5) J4(-7,5) J5(-6.6,5) J6(-6.2,5) J7(-5.8,5) J8(-5.4,5) J9(-5,5) J10(-4.6,5) J12(-3.8,5) J14(-3,5) J15(-2.6,5) J16(-2.2,5) J18(-1.4,5) J20(-0.6,5) J22(0.2,5) J24(1,5) J26(1.8,5) J27(2.2,5) J29(3,5) J30(3.4,5) J31(3.8,5) J36(5.8,5) J38(6.6,5) J39(7,5) J40(7.4,5) J41(7.8,5) J42(8.2,5) K1(-8.2,4.6) K2(-7.8,4.6) K3(-7.4,4.6) K6(-6.2,4.6) K7(-5.8,4.6) K9(-5,4.6) K10(-4.6,4.6) K11(-4.2,4.6) K12(-3.8,4.6) K14(-3,4.6) K17(-1.8,4.6) K18(-1.4,4.6) K20(-0.6,4.6) K22(0.2,4.6) K23(0.6,4.6) K25(1.4,4.6) K26(1.8,4.6) K27(2.2,4.6) K28(2.6,4.6) K29(3,4.6) K30(3.4,4.6) K31(3.8,4.6) K32(4.2,4.6) K33(4.6,4.6) K34(5,4.6) K35(5.4,4.6) K36(5.8,4.6) K37(6.2,4.6) K38(6.6,4.6) K39(7,4.6) K40(7.4,4.6) K41(7.8,4.6) L1(-8.2,4.2) L2(-7.8,4.2) L3(-7.4,4.2) L5(-6.6,4.2) L6(-6.2,4.2) L9(-5,4.2) L10(-4.6,4.2) L11(-4.2,4.2) L12(-3.8,4.2) L14(-3,4.2) L15(-2.6,4.2) L18(-1.4,4.2) L20(-0.6,4.2) L22(0.2,4.2) L23(0.6,4.2) L24(1,4.2) L32(4.2,4.2) L33(4.6,4.2) L34(5,4.2) L35(5.4,4.2) L36(5.8,4.2) L37(6.2,4.2) L38(6.6,4.2) L39(7,4.2) L40(7.4,4.2) L41(7.8,4.2) L42(8.2,4.2) M1(-8.2,3.8) M2(-7.8,3.8) M5(-6.6,3.8) M6(-6.2,3.8) M7(-5.8,3.8) M8(-5.4,3.8) M9(-5,3.8) M10(-4.6,3.8) M12(-3.8,3.8) M14(-3,3.8) M16(-2.2,3.8) M17(-1.8,3.8) M19(-1,3.8) M21(-0.2,3.8) M22(0.2,3.8) M23(0.6,3.8) M24(1,3.8) M25(1.4,3.8) M28(2.6,3.8) M29(3,3.8) M30(3.4,3.8) M33(4.6,3.8) M34(5,3.8) M35(5.4,3.8) M36(5.8,3.8) M37(6.2,3.8) M38(6.6,3.8) M39(7,3.8) M40(7.4,3.8) M41(7.8,3.8) M42(8.2,3.8) N1(-8.2,3.4) N2(-7.8,3.4) N3(-7.4,3.4) N5(-6.6,3.4) N6(-6.2,3.4) N7(-5.8,3.4) N9(-5,3.4) N11(-4.2,3.4) N12(-3.8,3.4) N15(-2.6,3.4) N16(-2.2,3.4) N17(-1.8,3.4) N18(-1.4,3.4) N21(-0.2,3.4) N22(0.2,3.4) N24(1,3.4) N25(1.4,3.4) N33(4.6,3.4) N34(5,3.4) N35(5.4,3.4) N36(5.8,3.4) N37(6.2,3.4) N38(6.6,3.4) N39(7,3.4) N40(7.4,3.4) N41(7.8,3.4) N42(8.2,3.4) P1(-8.2,3) P2(-7.8,3) P3(-7.4,3) P4(-7,3) P5(-6.6,3) P6(-6.2,3) P7(-5.8,3) P8(-5.4,3) P9(-5,3) P10(-4.6,3) P12(-3.8,3) P15(-2.6,3) P16(-2.2,3) P17(-1.8,3) P18(-1.4,3) P19(-1,3) P23(0.6,3) P25(1.4,3) P26(1.8,3) P27(2.2,3) P28(2.6,3) P29(3,3) P30(3.4,3) P31(3.8,3) P32(4.2,3) P33(4.6,3) P34(5,3) P38(6.6,3) P39(7,3) P40(7.4,3) P41(7.8,3) R1(-8.2,2.6) R2(-7.8,2.6) R3(-7.4,2.6) R4(-7,2.6) R8(-5.4,2.6) R10(-4.6,2.6) R15(-2.6,2.6) R16(-2.2,2.6) R20(-0.6,2.6) R21(-0.2,2.6) R23(0.6,2.6) R24(1,2.6) R25(1.4,2.6) R26(1.8,2.6) R27(2.2,2.6) R28(2.6,2.6) R29(3,2.6) R30(3.4,2.6) R31(3.8,2.6) R32(4.2,2.6) R33(4.6,2.6) R35(5.4,2.6) R36(5.8,2.6) R38(6.6,2.6) R39(7,2.6) T2(-7.8,2.2) T3(-7.4,2.2) T4(-7,2.2) T7(-5.8,2.2) T10(-4.6,2.2) T12(-3.8,2.2) T13(-3.4,2.2) T15(-2.6,2.2) T16(-2.2,2.2) T17(-1.8,2.2) T18(-1.4,2.2) T20(-0.6,2.2) T21(-0.2,2.2) T24(1,2.2) T25(1.4,2.2) T26(1.8,2.2) T35(5.4,2.2) T36(5.8,2.2) T37(6.2,2.2) T38(6.6,2.2) T39(7,2.2) T40(7.4,2.2) T41(7.8,2.2) T42(8.2,2.2) U1(-8.2,1.8) U2(-7.8,1.8) U3(-7.4,1.8) U4(-7,1.8) U5(-6.6,1.8) U6(-6.2,1.8) U7(-5.8,1.8) U8(-5.4,1.8) U12(-3.8,1.8) U13(-3.4,1.8) U15(-2.6,1.8) U16(-2.2,1.8) U17(-1.8,1.8) U18(-1.4,1.8) U20(-0.6,1.8) U21(-0.2,1.8) U22(0.2,1.8) U23(0.6,1.8) U24(1,1.8) U25(1.4,1.8) U26(1.8,1.8) U35(5.4,1.8) U36(5.8,1.8) U37(6.2,1.8) U38(6.6,1.8) U39(7,1.8) U40(7.4,1.8) U41(7.8,1.8) V1(-8.2,1.4) V2(-7.8,1.4) V3(-7.4,1.4) V5(-6.6,1.4) V6(-6.2,1.4) V7(-5.8,1.4) V8(-5.4,1.4) V10(-4.6,1.4) V12(-3.8,1.4) V13(-3.4,1.4) V14(-3,1.4) V16(-2.2,1.4) V17(-1.8,1.4) V19(-1,1.4) V23(0.6,1.4) V24(1,1.4) V25(1.4,1.4) V26(1.8,1.4) V27(2.2,1.4) V28(2.6,1.4) V29(3,1.4) V30(3.4,1.4) V31(3.8,1.4) V32(4.2,1.4) V33(4.6,1.4) V34(5,1.4) V35(5.4,1.4) V36(5.8,1.4) V37(6.2,1.4) V38(6.6,1.4) V39(7,1.4) V40(7.4,1.4) V41(7.8,1.4) V42(8.2,1.4) W2(-7.8,1) W5(-6.6,1) W7(-5.8,1) W8(-5.4,1) W9(-5,1) W10(-4.6,1) W16(-2.2,1) W17(-1.8,1) W18(-1.4,1) W19(-1,1) W22(0.2,1) W23(0.6,1) W24(1,1) W26(1.8,1) W33(4.6,1) W38(6.6,1) W39(7,1) W40(7.4,1) W41(7.8,1) W42(8.2,1) Y1(-8.2,0.6) Y2(-7.8,0.6) Y3(-7.4,0.6) Y4(-7,0.6) Y5(-6.6,0.6) Y6(-6.2,0.6) Y10(-4.6,0.6) Y11(-4.2,0.6) Y14(-3,0.6) Y17(-1.8,0.6) Y18(-1.4,0.6) Y19(-1,0.6) Y22(0.2,0.6) Y23(0.6,0.6) Y24(1,0.6) Y26(1.8,0.6) Y28(2.6,0.6) Y29(3,0.6) Y30(3.4,0.6) Y31(3.8,0.6) Y32(4.2,0.6) Y33(4.6,0.6) Y37(6.2,0.6) Y38(6.6,0.6) Y39(7,0.6) Y40(7.4,0.6) Y41(7.8,0.6)
